# Altium PCB CHAHARDOLI-7 ADAD METAL.PcbDoc (part 1 of 10)
Units mm, origin at the board's own origin, x right, y up, seen from the top; angles counter-clockwise.
Board outline 151 x 86.38 mm, 2 copper layers (Top Layer, Bottom Layer); 1512 components, 81 nets, 3736 pads, 768 vias.
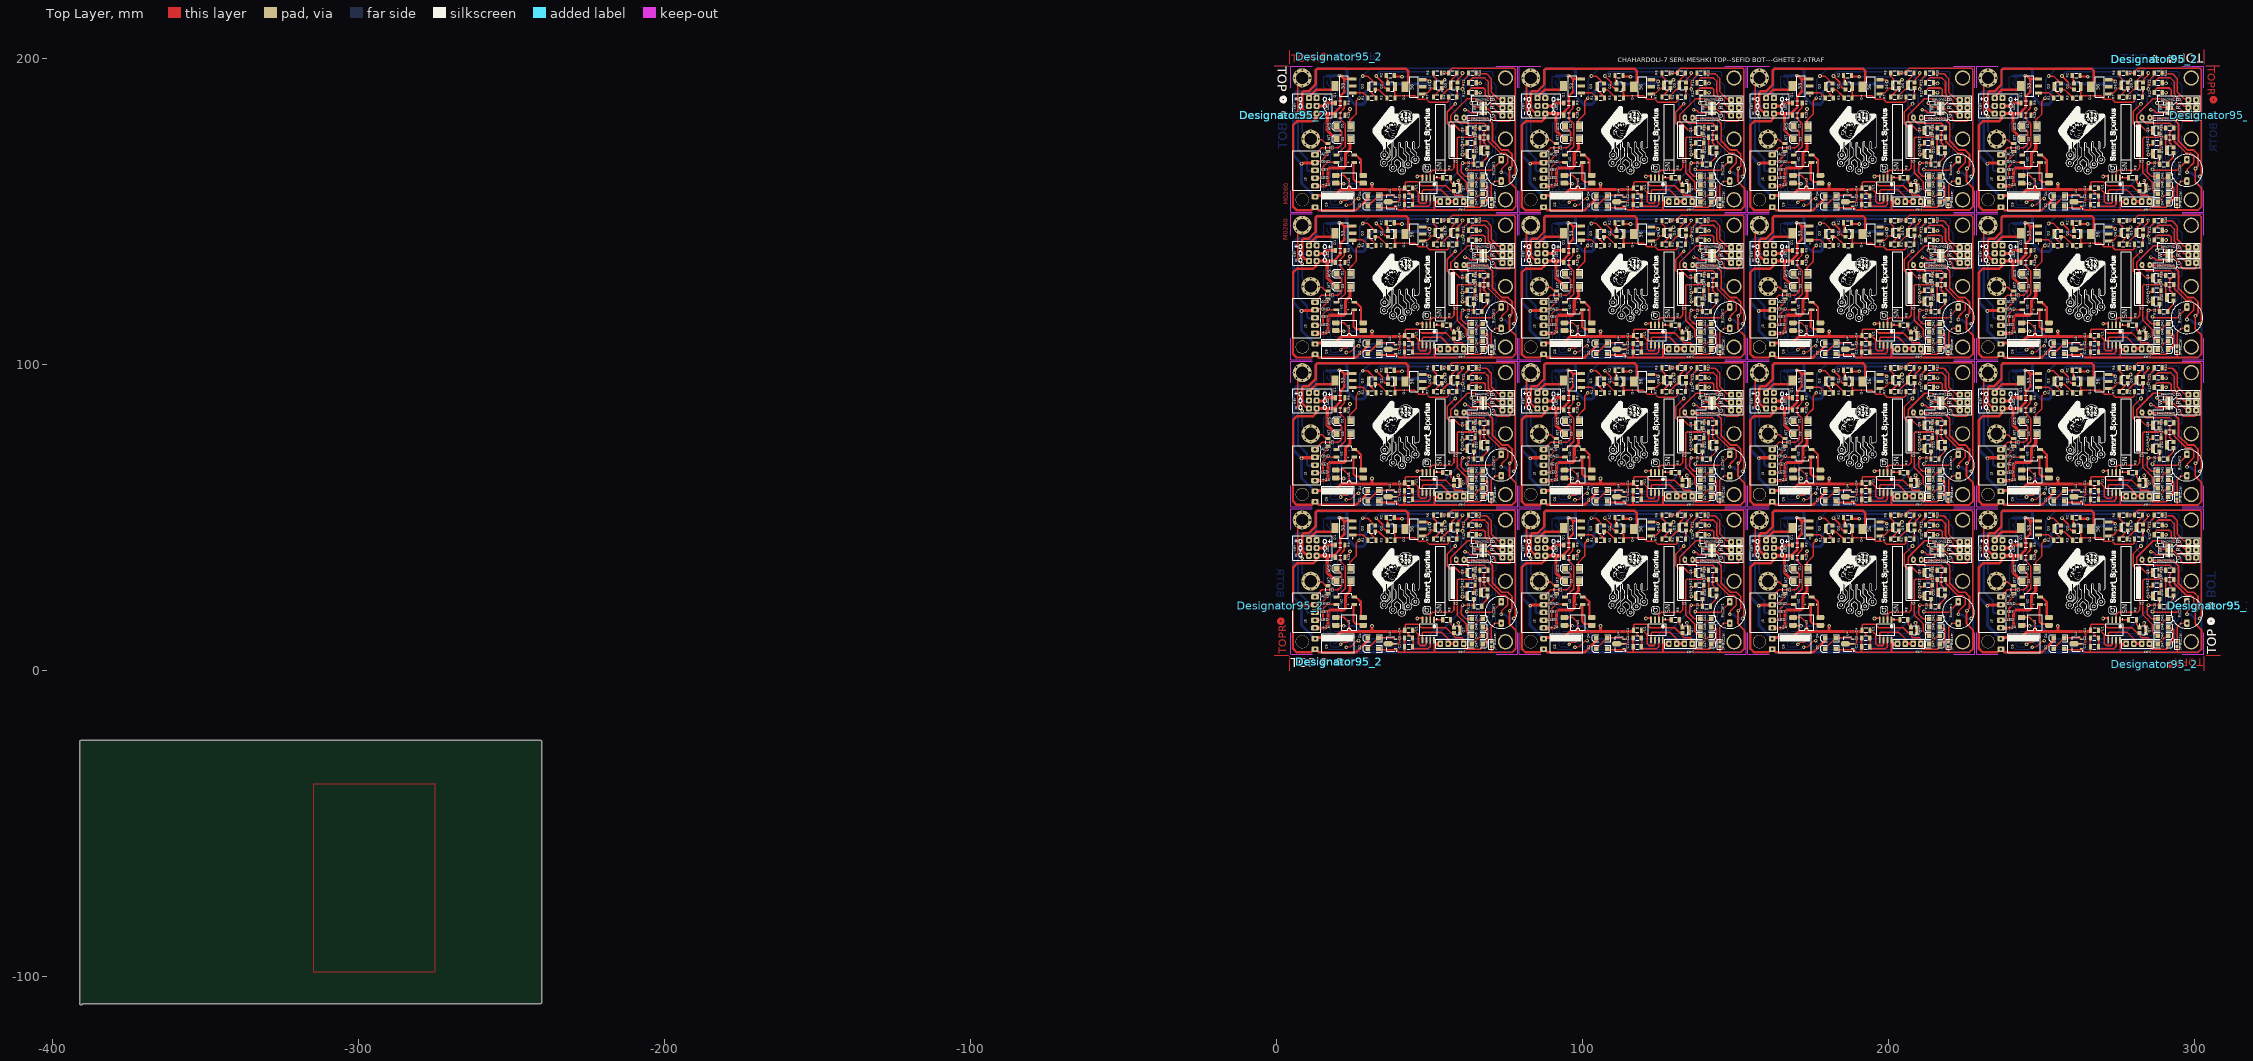
[diagram p0: Top Layer view]
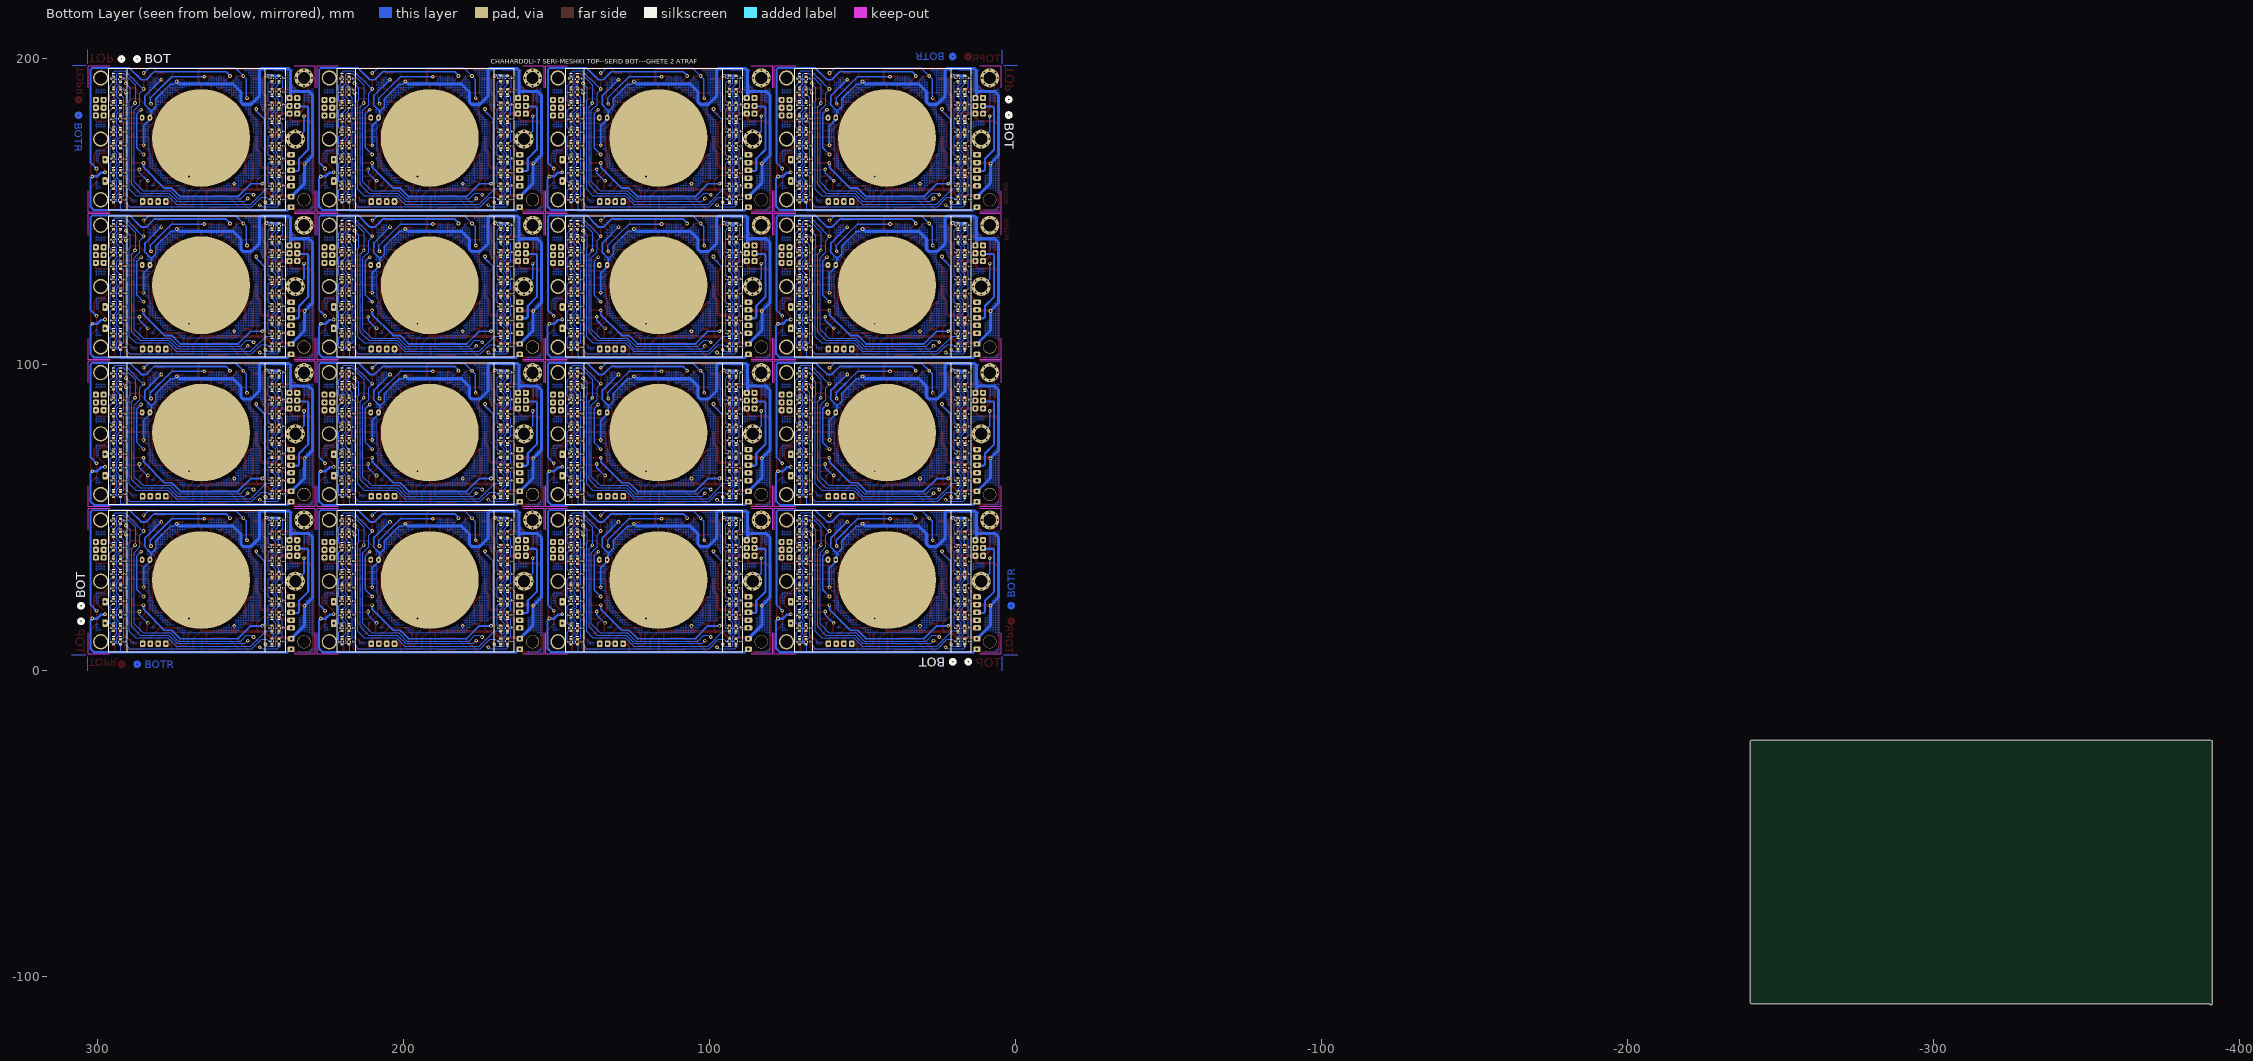
[diagram p1: Bottom Layer view, seen from below]

## Layer stack, top to bottom
Top Solder: solder mask 0.0102, Solder Resist, Dk 3.5
Top Layer: signal copper 0.0356
Dielectric1: dielectric 0.32, FR-4, Dk 4.8
Bottom Layer: signal copper 0.0356
Bottom Solder: solder mask 0.0102, Solder Resist, Dk 3.5

## Board outline
-391.1,-108.781 -391.1,-23.4 cw(c-390.6,-23.4) -390.6,-22.9 -240.6,-22.9 cw(c-240.6,-23.4) -240.1,-23.4 -240.1,-108.4 cw(c-240.6,-108.4) -240.6,-108.9 -390.114,-108.9 cw(c-390.6,-108.781)

## Design rules (kind name [scope] priority, off if disabled: settings)
Clearance Clearance_1 [InPolygon] p1: gap=1 ignorepadtopadclearanceinfootprint=FALSE
Clearance [All] p2: gap=0.4 ignorepadtopadclearanceinfootprint=FALSE
FabricationTestpoint [(IsPad And (OnTopLayer Or OnBottomLayer))] p1: side=3 testpointundercomponent=TRUE minsize=1.016 maxsize=2.54 preferedsize=1.524 minholesize=0 maxholesize=1.016 preferedholesize=0.813 testpointgrid=0.025 allowsidetop=TRUE allowsidebottom=TRUE usegrid=TRUE gridtolerance=0
PolygonConnect [All] p1: connectstyle=Relief reliefconductorwidth=0.254 reliefentries=4 polygonreliefangle="90 Angle" airgapwidth=0.254
RoutingLayers [All] p1: top layer_v5=FALSE bottom layer_v5=TRUE
RoutingVias [All] p1: holewidth=0.711 width=2.5 viastyle="Through Hole" minholewidth=0.711 minwidth=1.27 maxholewidth=0.711 maxwidth=2
SolderMaskExpansion [All] p1: expansion=0.102 istentingtop=FALSE
Width [All] p1: maxlimit=3 minlimit=0.4 preferedwidth=1
28 further rules are at their usual default settings.

## Classes and differential pairs
component class touch-24-v6-serang: 1 2 3 4 Buzzer1 C1 C2 C3 C4 C5 C6 D1 D2 D3 D4 D40 D41 D47 D48 J3 J8 JP? P5 P7 Q1 Q2 Q3 Q4 Q5 Q6 Q7 Q8 Q9 Q10 R1 R2 R3 R4 R5 R6 R7 R8 R9 R10 R11 R12 R13 R14 R15 R16 R17 R22 U1 U2 U3 U4 U17

## Components (designator, comment, footprint, x,y, rotation, side; value= is the part's Value field where it differs from the comment)
1 "LED2" "RES 0805 (2012X06L)" 294.6,9.31 r90 bottom
1 "LED2" "RES 0805 (2012X06L)" 294.6,18.11 r90 bottom
1 "LED2" "RES 0805 (2012X06L)" 294.6,26.91 r90 bottom
1 "LED2" "RES 0805 (2012X06L)" 294.6,35.71 r90 bottom
1 "LED2" "RES 0805 (2012X06L)" 294.6,44.51 r90 bottom
1 "LED2" "RES 0805 (2012X06L)" 240.6,44.51 r270 bottom
1 "LED2" "RES 0805 (2012X06L)" 240.6,35.71 r270 bottom
1 "LED2" "RES 0805 (2012X06L)" 240.6,26.91 r270 bottom
1 "LED2" "RES 0805 (2012X06L)" 240.6,18.11 r270 bottom
1 "LED2" "RES 0805 (2012X06L)" 240.6,9.51 r270 bottom
1 "LED2" "RES 0805 (2012X06L)" 240.6,57.655 r270 bottom
1 "LED2" "RES 0805 (2012X06L)" 240.6,66.255 r270 bottom
1 "LED2" "RES 0805 (2012X06L)" 240.6,75.055 r270 bottom
1 "LED2" "RES 0805 (2012X06L)" 240.6,83.855 r270 bottom
1 "LED2" "RES 0805 (2012X06L)" 240.6,92.655 r270 bottom
1 "LED2" "RES 0805 (2012X06L)" 294.6,92.655 r90 bottom
1 "LED2" "RES 0805 (2012X06L)" 294.6,83.855 r90 bottom
1 "LED2" "RES 0805 (2012X06L)" 294.6,75.055 r90 bottom
1 "LED2" "RES 0805 (2012X06L)" 294.6,66.255 r90 bottom
1 "LED2" "RES 0805 (2012X06L)" 294.6,57.455 r90 bottom
1 "LED2" "RES 0805 (2012X06L)" 240.6,105.8 r270 bottom
1 "LED2" "RES 0805 (2012X06L)" 240.6,114.4 r270 bottom
1 "LED2" "RES 0805 (2012X06L)" 240.6,123.2 r270 bottom
1 "LED2" "RES 0805 (2012X06L)" 240.6,132 r270 bottom
1 "LED2" "RES 0805 (2012X06L)" 240.6,140.8 r270 bottom
1 "LED2" "RES 0805 (2012X06L)" 294.6,140.8 r90 bottom
1 "LED2" "RES 0805 (2012X06L)" 294.6,132 r90 bottom
1 "LED2" "RES 0805 (2012X06L)" 294.6,123.2 r90 bottom
1 "LED2" "RES 0805 (2012X06L)" 294.6,114.4 r90 bottom
1 "LED2" "RES 0805 (2012X06L)" 294.6,105.6 r90 bottom
1 "LED2" "RES 0805 (2012X06L)" 240.6,153.945 r270 bottom
1 "LED2" "RES 0805 (2012X06L)" 240.6,162.545 r270 bottom
1 "LED2" "RES 0805 (2012X06L)" 240.6,171.345 r270 bottom
1 "LED2" "RES 0805 (2012X06L)" 240.6,180.145 r270 bottom
1 "LED2" "RES 0805 (2012X06L)" 240.6,188.945 r270 bottom
1 "LED2" "RES 0805 (2012X06L)" 294.6,188.945 r90 bottom
1 "LED2" "RES 0805 (2012X06L)" 294.6,180.145 r90 bottom
1 "LED2" "RES 0805 (2012X06L)" 294.6,171.345 r90 bottom
1 "LED2" "RES 0805 (2012X06L)" 294.6,162.545 r90 bottom
1 "LED2" "RES 0805 (2012X06L)" 294.6,153.745 r90 bottom
1 "LED2" "RES 0805 (2012X06L)" 219.912,153.745 r90 bottom
1 "LED2" "RES 0805 (2012X06L)" 219.912,162.545 r90 bottom
1 "LED2" "RES 0805 (2012X06L)" 219.912,171.345 r90 bottom
1 "LED2" "RES 0805 (2012X06L)" 219.912,180.145 r90 bottom
1 "LED2" "RES 0805 (2012X06L)" 219.912,188.945 r90 bottom
1 "LED2" "RES 0805 (2012X06L)" 165.912,188.945 r270 bottom
1 "LED2" "RES 0805 (2012X06L)" 165.912,180.145 r270 bottom
1 "LED2" "RES 0805 (2012X06L)" 165.912,171.345 r270 bottom
1 "LED2" "RES 0805 (2012X06L)" 165.912,162.545 r270 bottom
1 "LED2" "RES 0805 (2012X06L)" 165.912,153.945 r270 bottom
1 "LED2" "RES 0805 (2012X06L)" 219.912,105.6 r90 bottom
1 "LED2" "RES 0805 (2012X06L)" 219.912,114.4 r90 bottom
1 "LED2" "RES 0805 (2012X06L)" 219.912,123.2 r90 bottom
1 "LED2" "RES 0805 (2012X06L)" 219.912,132 r90 bottom
1 "LED2" "RES 0805 (2012X06L)" 219.912,140.8 r90 bottom
1 "LED2" "RES 0805 (2012X06L)" 165.912,140.8 r270 bottom
1 "LED2" "RES 0805 (2012X06L)" 165.912,132 r270 bottom
1 "LED2" "RES 0805 (2012X06L)" 165.912,123.2 r270 bottom
1 "LED2" "RES 0805 (2012X06L)" 165.912,114.4 r270 bottom
1 "LED2" "RES 0805 (2012X06L)" 165.912,105.8 r270 bottom
1 "LED2" "RES 0805 (2012X06L)" 219.912,57.455 r90 bottom
1 "LED2" "RES 0805 (2012X06L)" 219.912,66.255 r90 bottom
1 "LED2" "RES 0805 (2012X06L)" 219.912,75.055 r90 bottom
1 "LED2" "RES 0805 (2012X06L)" 219.912,83.855 r90 bottom
1 "LED2" "RES 0805 (2012X06L)" 219.912,92.655 r90 bottom
1 "LED2" "RES 0805 (2012X06L)" 165.912,92.655 r270 bottom
1 "LED2" "RES 0805 (2012X06L)" 165.912,83.855 r270 bottom
1 "LED2" "RES 0805 (2012X06L)" 165.912,75.055 r270 bottom
1 "LED2" "RES 0805 (2012X06L)" 165.912,66.255 r270 bottom
1 "LED2" "RES 0805 (2012X06L)" 165.912,57.655 r270 bottom
1 "LED2" "RES 0805 (2012X06L)" 165.912,9.51 r270 bottom
1 "LED2" "RES 0805 (2012X06L)" 165.912,18.11 r270 bottom
1 "LED2" "RES 0805 (2012X06L)" 165.912,26.91 r270 bottom
1 "LED2" "RES 0805 (2012X06L)" 165.912,35.71 r270 bottom
1 "LED2" "RES 0805 (2012X06L)" 165.912,44.51 r270 bottom
1 "LED2" "RES 0805 (2012X06L)" 219.912,44.51 r90 bottom
1 "LED2" "RES 0805 (2012X06L)" 219.912,35.71 r90 bottom
1 "LED2" "RES 0805 (2012X06L)" 219.912,26.91 r90 bottom
1 "LED2" "RES 0805 (2012X06L)" 219.912,18.11 r90 bottom
1 "LED2" "RES 0805 (2012X06L)" 219.912,9.31 r90 bottom
1 "LED2" "RES 0805 (2012X06L)" 145.224,153.745 r90 bottom
1 "LED2" "RES 0805 (2012X06L)" 145.224,162.545 r90 bottom
1 "LED2" "RES 0805 (2012X06L)" 145.224,171.345 r90 bottom
1 "LED2" "RES 0805 (2012X06L)" 145.224,180.145 r90 bottom
1 "LED2" "RES 0805 (2012X06L)" 145.224,188.945 r90 bottom
1 "LED2" "RES 0805 (2012X06L)" 91.224,188.945 r270 bottom
1 "LED2" "RES 0805 (2012X06L)" 91.224,180.145 r270 bottom
1 "LED2" "RES 0805 (2012X06L)" 91.224,171.345 r270 bottom
1 "LED2" "RES 0805 (2012X06L)" 91.224,162.545 r270 bottom
1 "LED2" "RES 0805 (2012X06L)" 91.224,153.945 r270 bottom
1 "LED2" "RES 0805 (2012X06L)" 145.224,105.6 r90 bottom
1 "LED2" "RES 0805 (2012X06L)" 145.224,114.4 r90 bottom
1 "LED2" "RES 0805 (2012X06L)" 145.224,123.2 r90 bottom
1 "LED2" "RES 0805 (2012X06L)" 145.224,132 r90 bottom
1 "LED2" "RES 0805 (2012X06L)" 145.224,140.8 r90 bottom
1 "LED2" "RES 0805 (2012X06L)" 91.224,140.8 r270 bottom
1 "LED2" "RES 0805 (2012X06L)" 91.224,132 r270 bottom
1 "LED2" "RES 0805 (2012X06L)" 91.224,123.2 r270 bottom
1 "LED2" "RES 0805 (2012X06L)" 91.224,114.4 r270 bottom
1 "LED2" "RES 0805 (2012X06L)" 91.224,105.8 r270 bottom
1 "LED2" "RES 0805 (2012X06L)" 145.224,57.455 r90 bottom
1 "LED2" "RES 0805 (2012X06L)" 145.224,66.255 r90 bottom
1 "LED2" "RES 0805 (2012X06L)" 145.224,75.055 r90 bottom
1 "LED2" "RES 0805 (2012X06L)" 145.224,83.855 r90 bottom
1 "LED2" "RES 0805 (2012X06L)" 145.224,92.655 r90 bottom
1 "LED2" "RES 0805 (2012X06L)" 91.224,92.655 r270 bottom
1 "LED2" "RES 0805 (2012X06L)" 91.224,83.855 r270 bottom
1 "LED2" "RES 0805 (2012X06L)" 91.224,75.055 r270 bottom
1 "LED2" "RES 0805 (2012X06L)" 91.224,66.255 r270 bottom
1 "LED2" "RES 0805 (2012X06L)" 91.224,57.655 r270 bottom
1 "LED2" "RES 0805 (2012X06L)" 91.224,9.51 r270 bottom
1 "LED2" "RES 0805 (2012X06L)" 91.224,18.11 r270 bottom
1 "LED2" "RES 0805 (2012X06L)" 91.224,26.91 r270 bottom
1 "LED2" "RES 0805 (2012X06L)" 91.224,35.71 r270 bottom
1 "LED2" "RES 0805 (2012X06L)" 91.224,44.51 r270 bottom
1 "LED2" "RES 0805 (2012X06L)" 145.224,44.51 r90 bottom
1 "LED2" "RES 0805 (2012X06L)" 145.224,35.71 r90 bottom
1 "LED2" "RES 0805 (2012X06L)" 145.224,26.91 r90 bottom
1 "LED2" "RES 0805 (2012X06L)" 145.224,18.11 r90 bottom
1 "LED2" "RES 0805 (2012X06L)" 145.224,9.31 r90 bottom
1 "LED2" "RES 0805 (2012X06L)" 70.536,153.745 r90 bottom
1 "LED2" "RES 0805 (2012X06L)" 70.536,162.545 r90 bottom
1 "LED2" "RES 0805 (2012X06L)" 70.536,171.345 r90 bottom
1 "LED2" "RES 0805 (2012X06L)" 70.536,180.145 r90 bottom
1 "LED2" "RES 0805 (2012X06L)" 70.536,188.945 r90 bottom
1 "LED2" "RES 0805 (2012X06L)" 16.536,188.945 r270 bottom
1 "LED2" "RES 0805 (2012X06L)" 16.536,180.145 r270 bottom
1 "LED2" "RES 0805 (2012X06L)" 16.536,171.345 r270 bottom
1 "LED2" "RES 0805 (2012X06L)" 16.536,162.545 r270 bottom
1 "LED2" "RES 0805 (2012X06L)" 16.536,153.945 r270 bottom
1 "LED2" "RES 0805 (2012X06L)" 70.536,105.6 r90 bottom
1 "LED2" "RES 0805 (2012X06L)" 70.536,114.4 r90 bottom
1 "LED2" "RES 0805 (2012X06L)" 70.536,123.2 r90 bottom
1 "LED2" "RES 0805 (2012X06L)" 70.536,132 r90 bottom
1 "LED2" "RES 0805 (2012X06L)" 70.536,140.8 r90 bottom
1 "LED2" "RES 0805 (2012X06L)" 16.536,140.8 r270 bottom
1 "LED2" "RES 0805 (2012X06L)" 16.536,132 r270 bottom
1 "LED2" "RES 0805 (2012X06L)" 16.536,123.2 r270 bottom
1 "LED2" "RES 0805 (2012X06L)" 16.536,114.4 r270 bottom
1 "LED2" "RES 0805 (2012X06L)" 16.536,105.8 r270 bottom
1 "LED2" "RES 0805 (2012X06L)" 70.536,57.455 r90 bottom
1 "LED2" "RES 0805 (2012X06L)" 70.536,66.255 r90 bottom
1 "LED2" "RES 0805 (2012X06L)" 70.536,75.055 r90 bottom
1 "LED2" "RES 0805 (2012X06L)" 70.536,83.855 r90 bottom
1 "LED2" "RES 0805 (2012X06L)" 70.536,92.655 r90 bottom
1 "LED2" "RES 0805 (2012X06L)" 16.536,92.655 r270 bottom
1 "LED2" "RES 0805 (2012X06L)" 16.536,83.855 r270 bottom
1 "LED2" "RES 0805 (2012X06L)" 16.536,75.055 r270 bottom
1 "LED2" "RES 0805 (2012X06L)" 16.536,66.255 r270 bottom
1 "LED2" "RES 0805 (2012X06L)" 16.536,57.655 r270 bottom
1 "LED2" "RES 0805 (2012X06L)" 16.536,9.51 r270 bottom
1 "LED2" "RES 0805 (2012X06L)" 16.536,18.11 r270 bottom
1 "LED2" "RES 0805 (2012X06L)" 16.536,26.91 r270 bottom
1 "LED2" "RES 0805 (2012X06L)" 16.536,35.71 r270 bottom
1 "LED2" "RES 0805 (2012X06L)" 16.536,44.51 r270 bottom
1 "LED2" "RES 0805 (2012X06L)" 70.536,44.51 r90 bottom
1 "LED2" "RES 0805 (2012X06L)" 70.536,35.71 r90 bottom
1 "LED2" "RES 0805 (2012X06L)" 70.536,26.91 r90 bottom
1 "LED2" "RES 0805 (2012X06L)" 70.536,18.11 r90 bottom
1 "LED2" "RES 0805 (2012X06L)" 70.536,9.31 r90 bottom
2 "LED2" "RES 0805 (2012X06L)" 292.4,13.71 r90 bottom
2 "LED2" "RES 0805 (2012X06L)" 292.4,22.51 r90 bottom
2 "LED2" "RES 0805 (2012X06L)" 292.4,31.31 r90 bottom
2 "LED2" "RES 0805 (2012X06L)" 292.4,40.11 r90 bottom
2 "LED2" "RES 0805 (2012X06L)" 292.4,48.71 r90 bottom
2 "LED2" "RES 0805 (2012X06L)" 242.8,48.91 r270 bottom
2 "LED2" "RES 0805 (2012X06L)" 242.8,40.11 r270 bottom
2 "LED2" "RES 0805 (2012X06L)" 242.8,31.31 r270 bottom
2 "LED2" "RES 0805 (2012X06L)" 242.8,22.51 r270 bottom
2 "LED2" "RES 0805 (2012X06L)" 242.8,13.71 r270 bottom
2 "LED2" "RES 0805 (2012X06L)" 242.8,61.855 r270 bottom
2 "LED2" "RES 0805 (2012X06L)" 242.8,70.655 r270 bottom
2 "LED2" "RES 0805 (2012X06L)" 242.8,79.455 r270 bottom
2 "LED2" "RES 0805 (2012X06L)" 242.8,88.255 r270 bottom
2 "LED2" "RES 0805 (2012X06L)" 242.8,97.055 r270 bottom
2 "LED2" "RES 0805 (2012X06L)" 292.4,96.855 r90 bottom
2 "LED2" "RES 0805 (2012X06L)" 292.4,88.255 r90 bottom
2 "LED2" "RES 0805 (2012X06L)" 292.4,79.455 r90 bottom
2 "LED2" "RES 0805 (2012X06L)" 292.4,70.655 r90 bottom
2 "LED2" "RES 0805 (2012X06L)" 292.4,61.855 r90 bottom
2 "LED2" "RES 0805 (2012X06L)" 242.8,110 r270 bottom
2 "LED2" "RES 0805 (2012X06L)" 242.8,118.8 r270 bottom
2 "LED2" "RES 0805 (2012X06L)" 242.8,127.6 r270 bottom
2 "LED2" "RES 0805 (2012X06L)" 242.8,136.4 r270 bottom
2 "LED2" "RES 0805 (2012X06L)" 242.8,145.2 r270 bottom
2 "LED2" "RES 0805 (2012X06L)" 292.4,145 r90 bottom
2 "LED2" "RES 0805 (2012X06L)" 292.4,136.4 r90 bottom
2 "LED2" "RES 0805 (2012X06L)" 292.4,127.6 r90 bottom
2 "LED2" "RES 0805 (2012X06L)" 292.4,118.8 r90 bottom
2 "LED2" "RES 0805 (2012X06L)" 292.4,110 r90 bottom
2 "LED2" "RES 0805 (2012X06L)" 242.8,158.145 r270 bottom
2 "LED2" "RES 0805 (2012X06L)" 242.8,166.945 r270 bottom
2 "LED2" "RES 0805 (2012X06L)" 242.8,175.745 r270 bottom
2 "LED2" "RES 0805 (2012X06L)" 242.8,184.545 r270 bottom
2 "LED2" "RES 0805 (2012X06L)" 242.8,193.345 r270 bottom
2 "LED2" "RES 0805 (2012X06L)" 292.4,193.145 r90 bottom
2 "LED2" "RES 0805 (2012X06L)" 292.4,184.545 r90 bottom
2 "LED2" "RES 0805 (2012X06L)" 292.4,175.745 r90 bottom
2 "LED2" "RES 0805 (2012X06L)" 292.4,166.945 r90 bottom
2 "LED2" "RES 0805 (2012X06L)" 292.4,158.145 r90 bottom
2 "LED2" "RES 0805 (2012X06L)" 217.712,158.145 r90 bottom
2 "LED2" "RES 0805 (2012X06L)" 217.712,166.945 r90 bottom
2 "LED2" "RES 0805 (2012X06L)" 217.712,175.745 r90 bottom
2 "LED2" "RES 0805 (2012X06L)" 217.712,184.545 r90 bottom
2 "LED2" "RES 0805 (2012X06L)" 217.712,193.145 r90 bottom
2 "LED2" "RES 0805 (2012X06L)" 168.112,193.345 r270 bottom
2 "LED2" "RES 0805 (2012X06L)" 168.112,184.545 r270 bottom
2 "LED2" "RES 0805 (2012X06L)" 168.112,175.745 r270 bottom
2 "LED2" "RES 0805 (2012X06L)" 168.112,166.945 r270 bottom
2 "LED2" "RES 0805 (2012X06L)" 168.112,158.145 r270 bottom
2 "LED2" "RES 0805 (2012X06L)" 217.712,110 r90 bottom
2 "LED2" "RES 0805 (2012X06L)" 217.712,118.8 r90 bottom
2 "LED2" "RES 0805 (2012X06L)" 217.712,127.6 r90 bottom
2 "LED2" "RES 0805 (2012X06L)" 217.712,136.4 r90 bottom
2 "LED2" "RES 0805 (2012X06L)" 217.712,145 r90 bottom
2 "LED2" "RES 0805 (2012X06L)" 168.112,145.2 r270 bottom
2 "LED2" "RES 0805 (2012X06L)" 168.112,136.4 r270 bottom
2 "LED2" "RES 0805 (2012X06L)" 168.112,127.6 r270 bottom
2 "LED2" "RES 0805 (2012X06L)" 168.112,118.8 r270 bottom
2 "LED2" "RES 0805 (2012X06L)" 168.112,110 r270 bottom
2 "LED2" "RES 0805 (2012X06L)" 217.712,61.855 r90 bottom
2 "LED2" "RES 0805 (2012X06L)" 217.712,70.655 r90 bottom
2 "LED2" "RES 0805 (2012X06L)" 217.712,79.455 r90 bottom
2 "LED2" "RES 0805 (2012X06L)" 217.712,88.255 r90 bottom
2 "LED2" "RES 0805 (2012X06L)" 217.712,96.855 r90 bottom
2 "LED2" "RES 0805 (2012X06L)" 168.112,97.055 r270 bottom
2 "LED2" "RES 0805 (2012X06L)" 168.112,88.255 r270 bottom
2 "LED2" "RES 0805 (2012X06L)" 168.112,79.455 r270 bottom
2 "LED2" "RES 0805 (2012X06L)" 168.112,70.655 r270 bottom
2 "LED2" "RES 0805 (2012X06L)" 168.112,61.855 r270 bottom
2 "LED2" "RES 0805 (2012X06L)" 168.112,13.71 r270 bottom
2 "LED2" "RES 0805 (2012X06L)" 168.112,22.51 r270 bottom
2 "LED2" "RES 0805 (2012X06L)" 168.112,31.31 r270 bottom
2 "LED2" "RES 0805 (2012X06L)" 168.112,40.11 r270 bottom
2 "LED2" "RES 0805 (2012X06L)" 168.112,48.91 r270 bottom
2 "LED2" "RES 0805 (2012X06L)" 217.712,48.71 r90 bottom
2 "LED2" "RES 0805 (2012X06L)" 217.712,40.11 r90 bottom
2 "LED2" "RES 0805 (2012X06L)" 217.712,31.31 r90 bottom
2 "LED2" "RES 0805 (2012X06L)" 217.712,22.51 r90 bottom
2 "LED2" "RES 0805 (2012X06L)" 217.712,13.71 r90 bottom
2 "LED2" "RES 0805 (2012X06L)" 143.024,158.145 r90 bottom
2 "LED2" "RES 0805 (2012X06L)" 143.024,166.945 r90 bottom
2 "LED2" "RES 0805 (2012X06L)" 143.024,175.745 r90 bottom
2 "LED2" "RES 0805 (2012X06L)" 143.024,184.545 r90 bottom
2 "LED2" "RES 0805 (2012X06L)" 143.024,193.145 r90 bottom
2 "LED2" "RES 0805 (2012X06L)" 93.424,193.345 r270 bottom
2 "LED2" "RES 0805 (2012X06L)" 93.424,184.545 r270 bottom
2 "LED2" "RES 0805 (2012X06L)" 93.424,175.745 r270 bottom
2 "LED2" "RES 0805 (2012X06L)" 93.424,166.945 r270 bottom
2 "LED2" "RES 0805 (2012X06L)" 93.424,158.145 r270 bottom
2 "LED2" "RES 0805 (2012X06L)" 143.024,110 r90 bottom
2 "LED2" "RES 0805 (2012X06L)" 143.024,118.8 r90 bottom
2 "LED2" "RES 0805 (2012X06L)" 143.024,127.6 r90 bottom
2 "LED2" "RES 0805 (2012X06L)" 143.024,136.4 r90 bottom
2 "LED2" "RES 0805 (2012X06L)" 143.024,145 r90 bottom
2 "LED2" "RES 0805 (2012X06L)" 93.424,145.2 r270 bottom
2 "LED2" "RES 0805 (2012X06L)" 93.424,136.4 r270 bottom
2 "LED2" "RES 0805 (2012X06L)" 93.424,127.6 r270 bottom
2 "LED2" "RES 0805 (2012X06L)" 93.424,118.8 r270 bottom
2 "LED2" "RES 0805 (2012X06L)" 93.424,110 r270 bottom
2 "LED2" "RES 0805 (2012X06L)" 143.024,61.855 r90 bottom
2 "LED2" "RES 0805 (2012X06L)" 143.024,70.655 r90 bottom
2 "LED2" "RES 0805 (2012X06L)" 143.024,79.455 r90 bottom
2 "LED2" "RES 0805 (2012X06L)" 143.024,88.255 r90 bottom
2 "LED2" "RES 0805 (2012X06L)" 143.024,96.855 r90 bottom
2 "LED2" "RES 0805 (2012X06L)" 93.424,97.055 r270 bottom
2 "LED2" "RES 0805 (2012X06L)" 93.424,88.255 r270 bottom
2 "LED2" "RES 0805 (2012X06L)" 93.424,79.455 r270 bottom
2 "LED2" "RES 0805 (2012X06L)" 93.424,70.655 r270 bottom
2 "LED2" "RES 0805 (2012X06L)" 93.424,61.855 r270 bottom
2 "LED2" "RES 0805 (2012X06L)" 93.424,13.71 r270 bottom
2 "LED2" "RES 0805 (2012X06L)" 93.424,22.51 r270 bottom
2 "LED2" "RES 0805 (2012X06L)" 93.424,31.31 r270 bottom
2 "LED2" "RES 0805 (2012X06L)" 93.424,40.11 r270 bottom
2 "LED2" "RES 0805 (2012X06L)" 93.424,48.91 r270 bottom
2 "LED2" "RES 0805 (2012X06L)" 143.024,48.71 r90 bottom
2 "LED2" "RES 0805 (2012X06L)" 143.024,40.11 r90 bottom
2 "LED2" "RES 0805 (2012X06L)" 143.024,31.31 r90 bottom
2 "LED2" "RES 0805 (2012X06L)" 143.024,22.51 r90 bottom
2 "LED2" "RES 0805 (2012X06L)" 143.024,13.71 r90 bottom
2 "LED2" "RES 0805 (2012X06L)" 68.336,158.145 r90 bottom
2 "LED2" "RES 0805 (2012X06L)" 68.336,166.945 r90 bottom
2 "LED2" "RES 0805 (2012X06L)" 68.336,175.745 r90 bottom
2 "LED2" "RES 0805 (2012X06L)" 68.336,184.545 r90 bottom
2 "LED2" "RES 0805 (2012X06L)" 68.336,193.145 r90 bottom
2 "LED2" "RES 0805 (2012X06L)" 18.736,193.345 r270 bottom
2 "LED2" "RES 0805 (2012X06L)" 18.736,184.545 r270 bottom
2 "LED2" "RES 0805 (2012X06L)" 18.736,175.745 r270 bottom
2 "LED2" "RES 0805 (2012X06L)" 18.736,166.945 r270 bottom
2 "LED2" "RES 0805 (2012X06L)" 18.736,158.145 r270 bottom
2 "LED2" "RES 0805 (2012X06L)" 68.336,110 r90 bottom
2 "LED2" "RES 0805 (2012X06L)" 68.336,118.8 r90 bottom
2 "LED2" "RES 0805 (2012X06L)" 68.336,127.6 r90 bottom
2 "LED2" "RES 0805 (2012X06L)" 68.336,136.4 r90 bottom
2 "LED2" "RES 0805 (2012X06L)" 68.336,145 r90 bottom
2 "LED2" "RES 0805 (2012X06L)" 18.736,145.2 r270 bottom
2 "LED2" "RES 0805 (2012X06L)" 18.736,136.4 r270 bottom
2 "LED2" "RES 0805 (2012X06L)" 18.736,127.6 r270 bottom
2 "LED2" "RES 0805 (2012X06L)" 18.736,118.8 r270 bottom
2 "LED2" "RES 0805 (2012X06L)" 18.736,110 r270 bottom
2 "LED2" "RES 0805 (2012X06L)" 68.336,61.855 r90 bottom
2 "LED2" "RES 0805 (2012X06L)" 68.336,70.655 r90 bottom
2 "LED2" "RES 0805 (2012X06L)" 68.336,79.455 r90 bottom
2 "LED2" "RES 0805 (2012X06L)" 68.336,88.255 r90 bottom
2 "LED2" "RES 0805 (2012X06L)" 68.336,96.855 r90 bottom
2 "LED2" "RES 0805 (2012X06L)" 18.736,97.055 r270 bottom
2 "LED2" "RES 0805 (2012X06L)" 18.736,88.255 r270 bottom
2 "LED2" "RES 0805 (2012X06L)" 18.736,79.455 r270 bottom
2 "LED2" "RES 0805 (2012X06L)" 18.736,70.655 r270 bottom
2 "LED2" "RES 0805 (2012X06L)" 18.736,61.855 r270 bottom
2 "LED2" "RES 0805 (2012X06L)" 18.736,13.71 r270 bottom
2 "LED2" "RES 0805 (2012X06L)" 18.736,22.51 r270 bottom
2 "LED2" "RES 0805 (2012X06L)" 18.736,31.31 r270 bottom
2 "LED2" "RES 0805 (2012X06L)" 18.736,40.11 r270 bottom
2 "LED2" "RES 0805 (2012X06L)" 18.736,48.91 r270 bottom
2 "LED2" "RES 0805 (2012X06L)" 68.336,48.71 r90 bottom
2 "LED2" "RES 0805 (2012X06L)" 68.336,40.11 r90 bottom